# Altium PCB MAIN-BOARD.PcbDoc
Units mm, origin at the board's own origin, x right, y up, seen from the top; angles counter-clockwise.
Board outline 127 x 72 mm, 2 copper layers (Top Layer, Bottom Layer), stack 1.571 mm thick; 33 components, 48 nets, 208 pads, 0 vias.
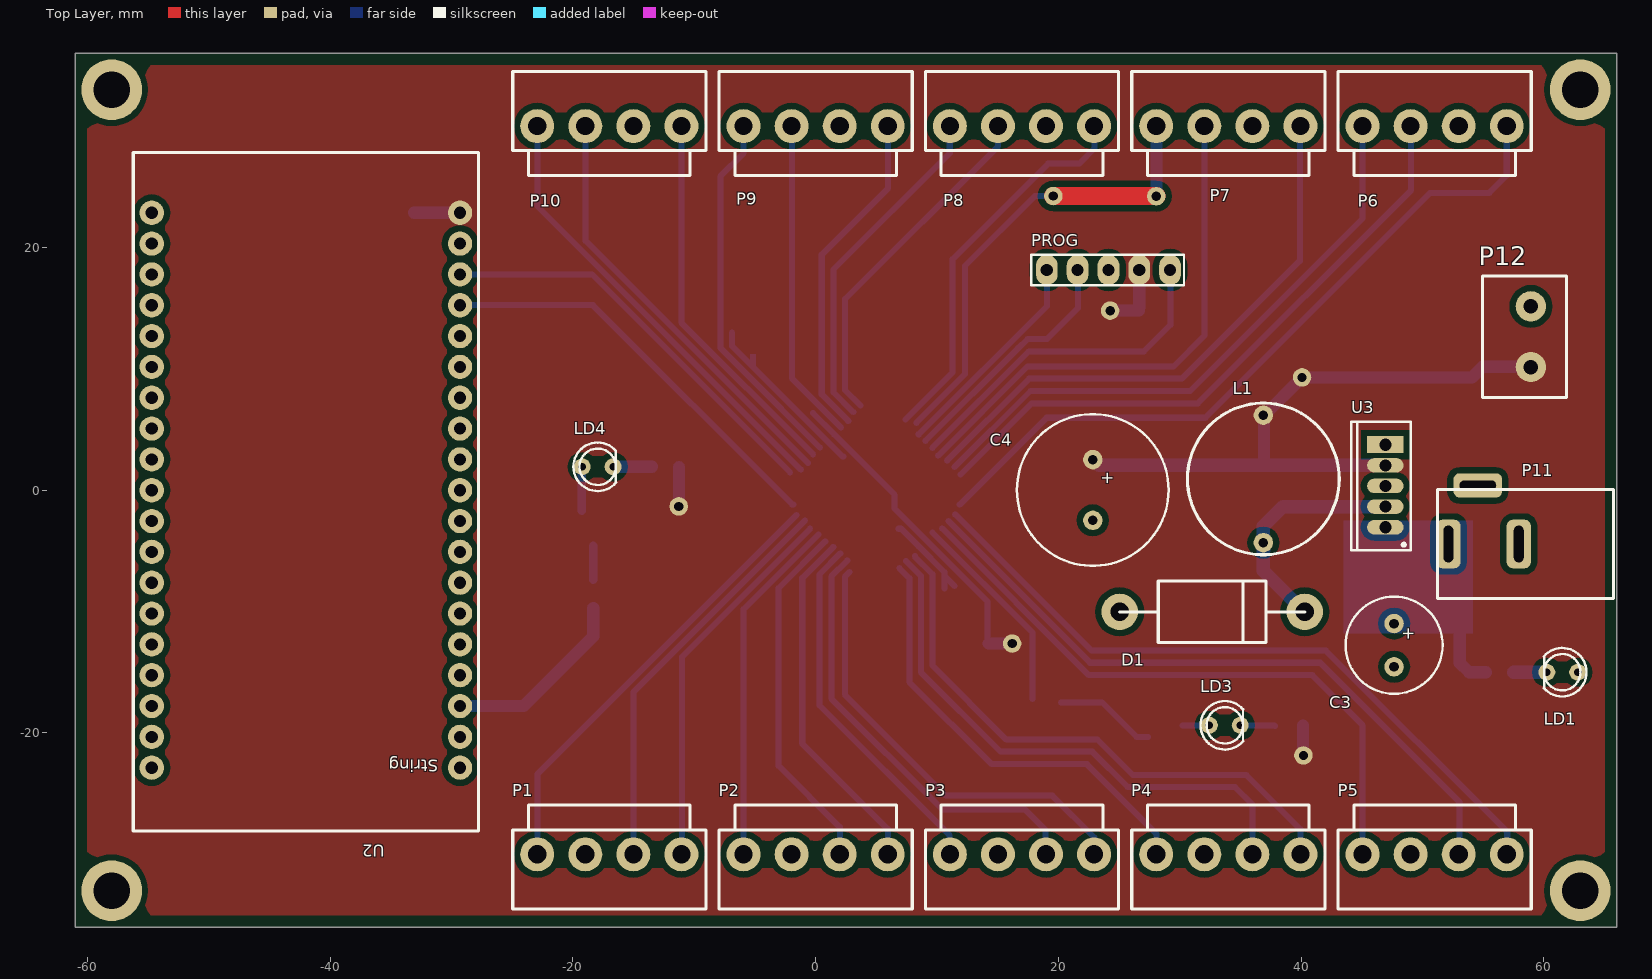
[diagram p0: Top Layer view]
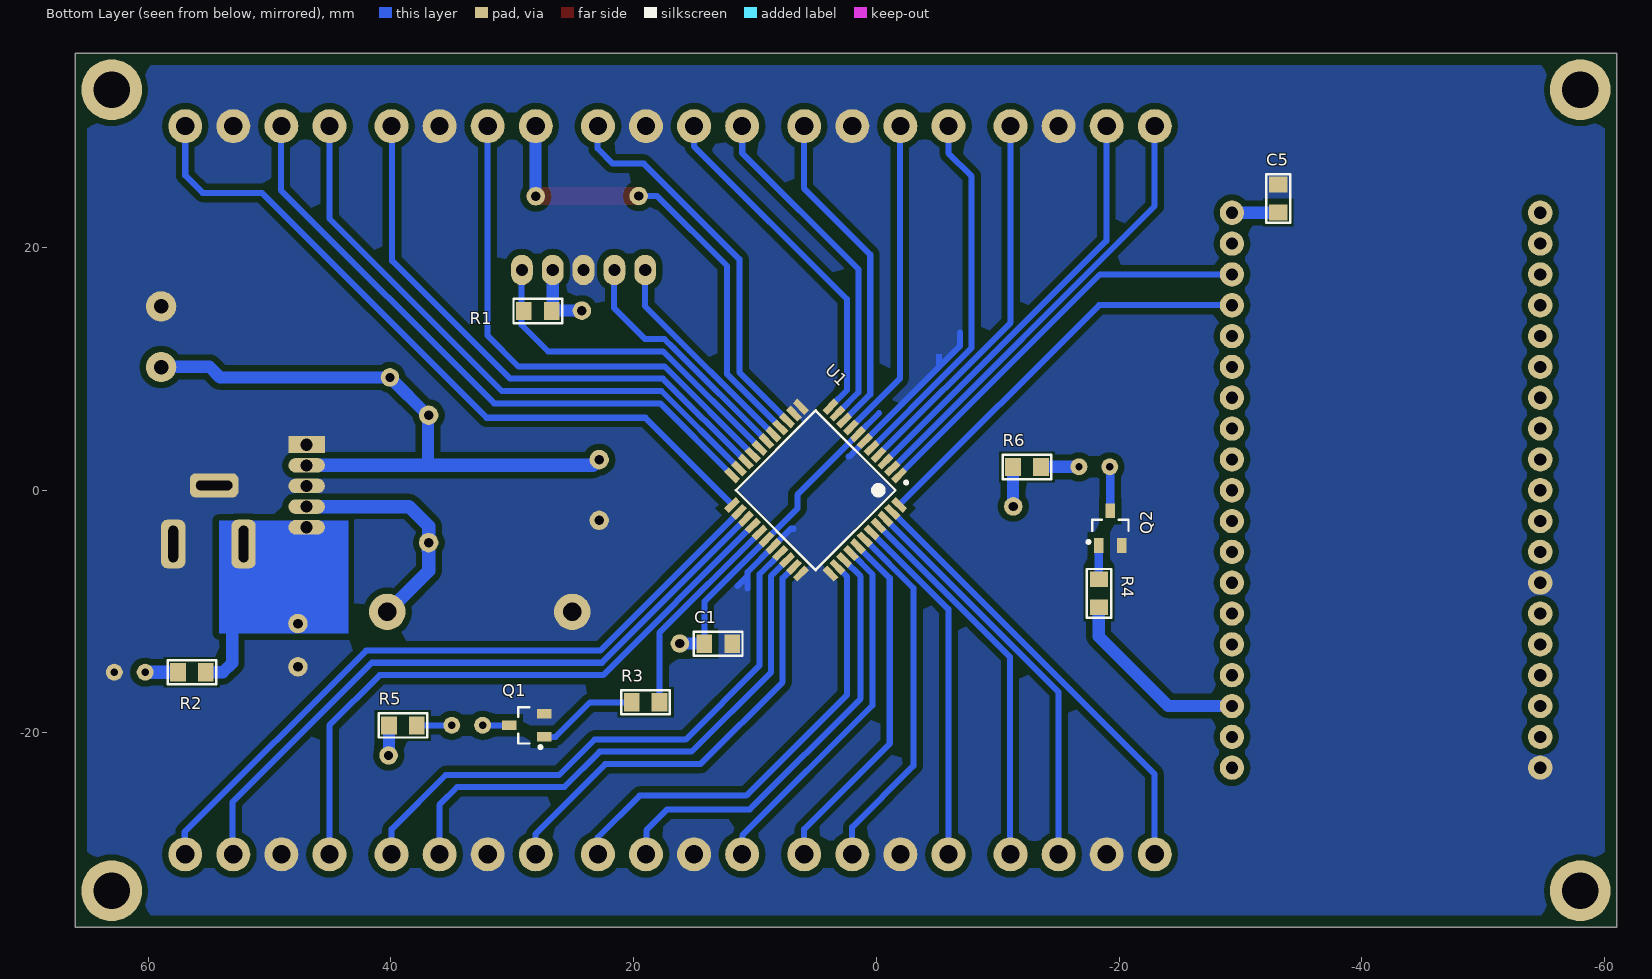
[diagram p1: Bottom Layer view, seen from below]
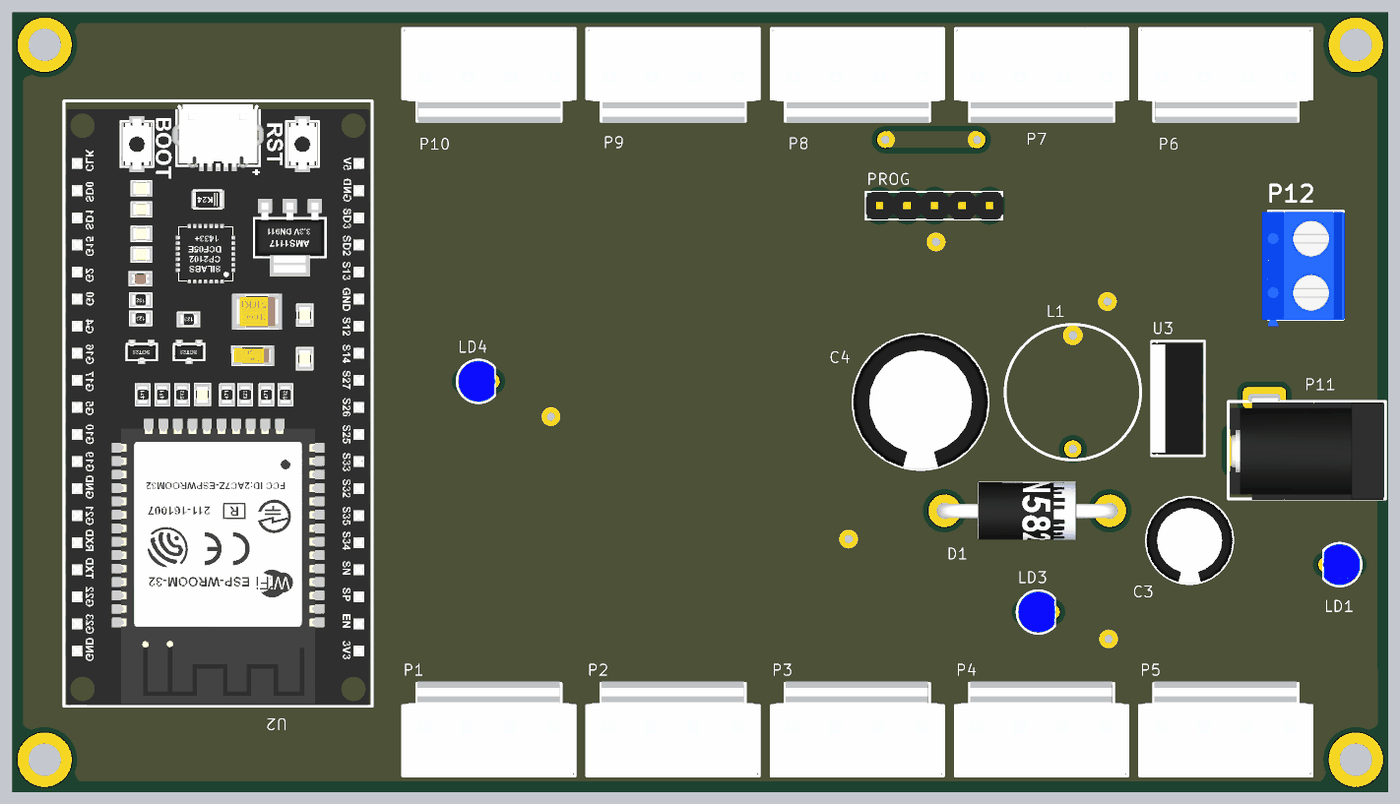
[diagram p2: 3D render of the assembled board from above, using the file's embedded part models]
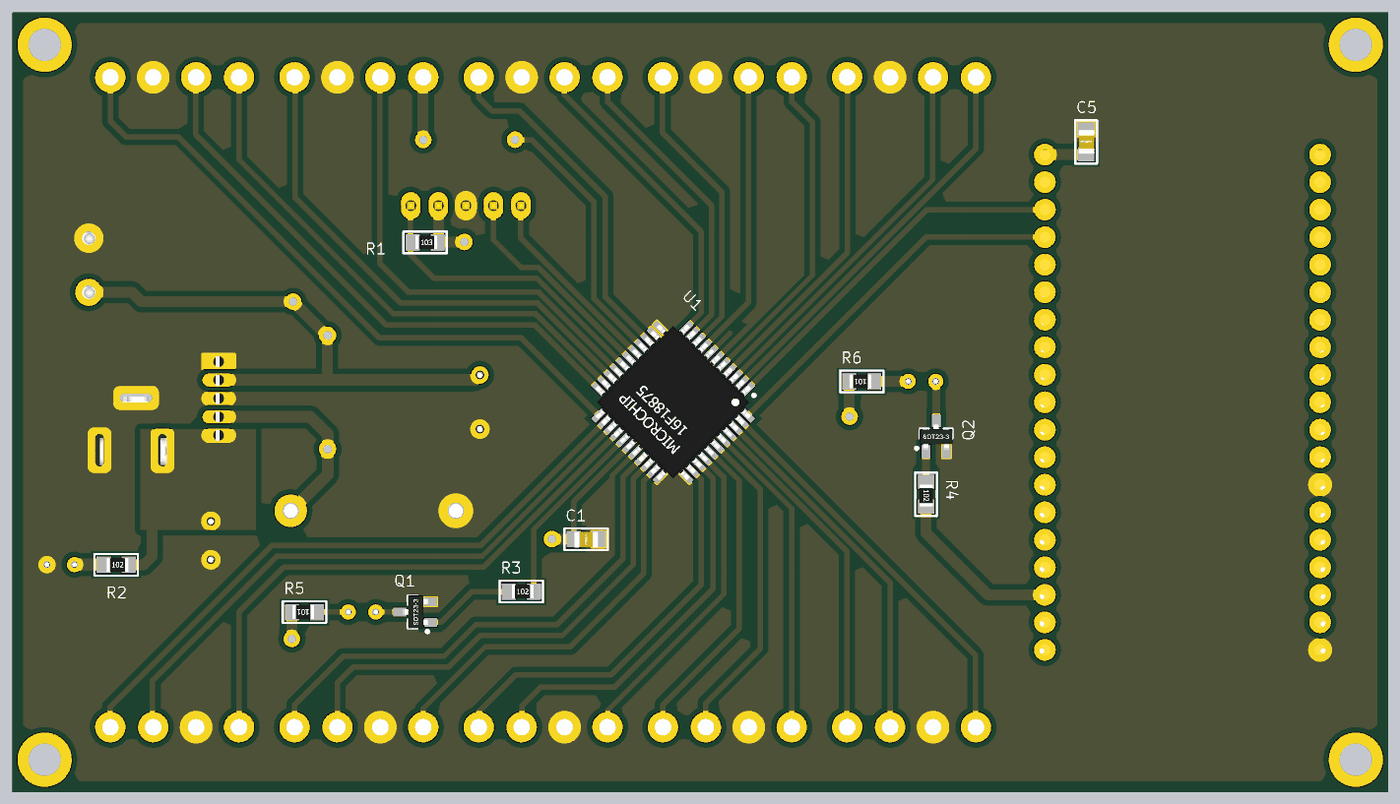
[diagram p3: 3D render of the assembled board from below, using the file's embedded part models]

## Layer stack, top to bottom
Top Solder: solder mask 0.0102, Solder Resist, Dk 3.5
Top Layer: signal copper 0.0356
Dielectric 1: dielectric 1.5, FR-4, Dk 4.8
Bottom Layer: signal copper 0.0356
Bottom Solder: solder mask 0.0102, Solder Resist, Dk 3.5

## Board outline
-61,-36 -61,36 66,36 66,-36

## Design rules (kind name [scope] priority, off if disabled: settings)
Clearance [All] p1: gap=0.5 ignorepadtopadclearanceinfootprint=FALSE except(0: Arc-Hole Track-Hole SMDPad-Hole THPad-Hole Via-Hole Fill-Hole Poly-Hole Region-Hole Text-Hole)
PlaneConnect [All] p1: planeconnectstyle=Direct reliefexpansion=0.508 reliefentries=4 reliefconductorwidth=0.254 reliefairgap=0.254
PolygonConnect [All] p1: connectstyle=Direct reliefconductorwidth=0.254 reliefentries=4 polygonreliefangle="90 Angle" airgapwidth=0.254
RoomDefinition MAIN-BOARD [InComponentClass('MAIN-BOARD')] p1: confinementstyle=ConfineIn formatcopy=TRUE lockcomponents=FALSE outline 117.094,-27.178 228.092,-27.178 228.092,-8.128 117.094,-8.128
RoutingVias [All] p1: holewidth=0.711 width=1.27 viastyle="Through Hole" minholewidth=0.711 minwidth=1.27 maxholewidth=0.711 maxwidth=1.27
SolderMaskExpansion [All] p1: expansion=0.102
Width [All] p1: maxlimit=2 minlimit=0.5 preferedwidth=0.5
29 further rules are at their usual default settings.

## Components (designator, comment, footprint, x,y, rotation, side; value= is the part's Value field where it differs from the comment)
C1 "100NF" CAP.SMD.0805 13.03,-12.648 r0 bottom
C3 "100UFX35V" CAP-ELEC-8X11 47.659,-12.767 r270 top
C4 "1000UFX25V" CAP-ELEC-12.5X20 22.832,0.021 r270 top
C5 "100NF" CAP.SMD.0805 -33.109,24.032 r270 bottom
D1 "1N5822" "Diode 1N5822" 32.674,-10.02 r0 top
L1 "330UHY" "Inductor Radial DR1213" 36.887,0.928 r270 top
LD1 "LED 3MM AZUL" "LED 3MM AZUL" 61.513,-14.993 r180 top
LD3 "LED 3MM AZUL" "LED 3MM AZUL" 33.709,-19.369 r0 top
LD4 "LED 3MM AZUL" "LED 3MM AZUL" -17.963,1.929 r0 top
P1 "CONECTOR PWXXS MA-04 VERTICAL P=3.96MM PW0" "CONECTOR PWXXS MA-04 VERTICAL P=3.96MM" -17,-30 r0 top
P2 "CONECTOR PWXXS MA-04 VERTICAL P=3.96MM PW0" "CONECTOR PWXXS MA-04 VERTICAL P=3.96MM" 0,-30 r0 top
P3 "CONECTOR PWXXS MA-04 VERTICAL P=3.96MM PW0" "CONECTOR PWXXS MA-04 VERTICAL P=3.96MM" 17,-30 r0 top
P4 "CONECTOR PWXXS MA-04 VERTICAL P=3.96MM PW0" "CONECTOR PWXXS MA-04 VERTICAL P=3.96MM" 34,-30 r0 top
P5 "CONECTOR PWXXS MA-04 VERTICAL P=3.96MM PW0" "CONECTOR PWXXS MA-04 VERTICAL P=3.96MM" 51,-30 r0 top
P6 "CONECTOR PWXXS MA-04 VERTICAL P=3.96MM PW0" "CONECTOR PWXXS MA-04 VERTICAL P=3.96MM" 51,30 r180 top
P7 "CONECTOR PWXXS MA-04 VERTICAL P=3.96MM PW0" "CONECTOR PWXXS MA-04 VERTICAL P=3.96MM" 34,30 r180 top
P8 "CONECTOR PWXXS MA-04 VERTICAL P=3.96MM PW0" "CONECTOR PWXXS MA-04 VERTICAL P=3.96MM" 17,30 r180 top
P9 "CONECTOR PWXXS MA-04 VERTICAL P=3.96MM PW0" "CONECTOR PWXXS MA-04 VERTICAL P=3.96MM" 0,30 r180 top
P10 "CONECTOR PWXXS MA-04 VERTICAL P=3.96MM PW0" "CONECTOR PWXXS MA-04 VERTICAL P=3.96MM" -17,30 r180 top
P11 "DC POWER JACK" VAR-DC-JACK 65.732,-4.43 r270 top
P12 "BORNE 2P P=5MM 1.5MM2 15A AZUL XY301V-2P" CON-BOR-X2-5MM 58.928,12.647 r90 top
PROG "In-Serial Circuit Programmer Header" "PIC ICSP" 24.125,18.149 r180 top
Q1 "BC817" NPN.SMD.SOT23 28.803,-19.369 r0 bottom
Q2 "BC817" NPN.SMD.SOT23 -19.275,-3.131 r90 bottom
R1 "10K" RES.SMD.103 27.893,14.761 r180 bottom
R2 "1K" RES.SMD.102 56.394,-15.002 r180 bottom
R3 "1K" RES.SMD.102 19.011,-17.471 r180 bottom
R4 "1K" RES.SMD.102 -18.342,-8.489 r270 bottom
R5 "100E" RES.SMD.101 39.013,-19.375 r0 bottom
R6 "100E" RES.SMD.101 -12.411,1.919 r0 bottom
U1 "PIC16F18875-I/PT 44 TQFP 14KB Flash, 1KB RAM, 256B EE, 10b ADC2" "44TQFP - PIC16F18875" 5,0 r315 bottom
U2 "ESP32-DevKitC" ESP32-DevKitC -42,0 r180 top
U3 "LM2576T-5.0" LM2576T-5.0 46.939,0.352 r90 top

## Footprints (in the part's own frame and the unit in brackets; to place one, negate y for a bottom-side part, rotate by r counter-clockwise, add the part's x,y. Pads: shape width x height; smd on the part's side, far side on the other; paste and mask are expansions set on the pad)
"44TQFP - PIC16F18875" [mm] "PIC16F18875"
  rect 1.35x0.55 smd: 1(-5.725,4) 2(-5.725,3.2) 3(-5.725,2.4) 4(-5.725,1.6) 5(-5.725,0.8) 6(-5.725,0) 7(-5.725,-0.8) 8(-5.725,-1.6) 9(-5.725,-2.4) 10(-5.725,-3.2) 11(-5.725,-4) 23(5.725,-4) 24(5.725,-3.2) 25(5.725,-2.4) 26(5.725,-1.6) 27(5.725,-0.8) 28(5.725,0) 29(5.725,0.8) 30(5.725,1.6) 31(5.725,2.4) 32(5.725,3.2) 33(5.725,4)
  rect 0.55x1.35 smd: 12(-4,-5.725) 13(-3.2,-5.725) 14(-2.4,-5.725) 15(-1.6,-5.725) 16(-0.8,-5.725) 17(0,-5.725) 18(0.8,-5.725) 19(1.6,-5.725) 20(2.4,-5.725) 21(3.2,-5.725) 22(4,-5.725) 34(4,5.725) 35(3.2,5.725) 36(2.4,5.725) 37(1.6,5.725) 38(0.8,5.725) 39(0,5.725) 40(-0.8,5.725) 41(-1.6,5.725) 42(-2.4,5.725) 43(-3.2,5.725) 44(-4,5.725)
  silkscreen extent -5.85,-4.65 4.65,4.95, body extent -6,-6 6,6, height 1.21
CAP-ELEC-8X11 [mm] "CAPACITOR ELECTROLITICO 8 X 11"
  round 1.6 hole 0.8: 1(-1.778,0) 2(1.778,0)
  silkscreen extent -4,-4 4,4, body extent -4,-4 4,4, height 11
CAP-ELEC-12.5X20 [mm] "CAPACITOR ELECTROLITICO 12.5 X 20"
  round 1.6 hole 0.8: 1(-2.5,0) 2(2.5,0)
  silkscreen extent -6.25,-6.25 6.25,6.25, body extent -6.25,-6.25 6.25,6.25, height 20
CAP.SMD.0805 [mm] "COG 10% CER.MULT. SMD 0805"
  rect 1.3x1.5 smd: 1(-1.15,0) 2(1.15,0)
  silkscreen extent -2,-1 2,1, body extent -1.1,-0.69 1.1,0.76, height 0.88
CON-BOR-X2-5MM [mm] "Bornera X2 5MM"
  round 2.5 hole 1.2: 1(-2.5,0) 2(2.5,0)
  silkscreen extent -5,-2.92 5,4, body extent -5.65,-3.04 4.95,4.56, height 10
"CONECTOR PWXXS MA-04 VERTICAL P=3.96MM" [mm] "CONECTOR PWXXS VERTICAL P=3.96MM"
  round 2.8 hole 1.5: 1(-5.94,0) 2(-1.98,0) 3(1.98,0) 4(5.94,0)
  silkscreen extent -7.96,-4.5 7.96,4.06, body extent -7.96,-4.5 7.88,4.2, height 10.7
"Diode 1N5822" [mm] "Diode 1N5822"
  round 3 hole 1.5: A(-7.62,0) K(7.62,0)
  silkscreen extent -7.62,-2.54 7.62,2.54, body extent -8.27,-2.67 8.27,2.65, height 5.66
ESP32-DevKitC [mm] "ESP32-DevKitC"
  round 2 hole 1: 1(-12.7,22.86) 2(-12.7,20.32) 3(-12.7,17.78) 4(-12.7,15.24) 5(-12.7,12.7) 6(-12.7,10.16) 7(-12.7,7.62) 8(-12.7,5.08) 9(-12.7,2.54) 10(-12.7,0) 11(-12.7,-2.54) 12(-12.7,-5.08) 13(-12.7,-7.62) 14(-12.7,-10.16) 15(-12.7,-12.7) 16(-12.7,-15.24) 17(-12.7,-17.78) 18(-12.7,-20.32) 19(-12.7,-22.86) 20(12.7,-22.86) 21(12.7,-20.32) 22(12.7,-17.78) 23(12.7,-15.24) 24(12.7,-12.7) 25(12.7,-10.16) 26(12.7,-7.62) 27(12.7,-5.08) 28(12.7,-2.54) 29(12.7,0) 30(12.7,2.54) 31(12.7,5.08) 32(12.7,7.62) 33(12.7,10.16) 34(12.7,12.7) 35(12.7,15.24) 36(12.7,17.78) 37(12.7,20.32) 38(12.7,22.86)
  silkscreen extent -14.22,-27.81 14.22,28.07, body extent -14,-27.51 14,27.97
"Inductor Radial DR1213" [mm] "Inductor Radial DR1213"
  round 1.6 hole 0.8: 1(-5.25,0) 2(5.25,0)
  silkscreen extent -6.25,-6.25 6.25,6.25, body extent -6.25,-6.25 6.25,6.25, height 15.5
"LED 3MM AZUL" [mm] "LED 3MM"
  round 1.4 hole 0.6: A(1.27,0) K(-1.27,0)
  silkscreen extent -2,-2 1.53,2, body extent -1.87,-1.87 1.5,1.87, height 5.49
LM2576T-5.0 [mm] "LM2576T-5.0 TO220 3A.STEP.DOWN.VOLT.REG."
  oval 1.2x3 hole 1: 1(-3.4,0) 2(-1.7,0) 3(0,0) 4(1.7,0)
  rect 1.4x3 hole 1: 5(3.4,0)
  silkscreen extent -5.3,-2.1 5.3,2.8, body extent -5.11,-1.91 5.09,2.8, height 15.4
NPN.SMD.SOT23 [mm] "Transistor NPN 0.25W SOT23"
  rect 1.2x0.8 smd: 1(-1.425,0.95) 2(-1.425,-0.95) 3(1.425,0)
  silkscreen extent -1.25,-1.5 0.7,1.92, body extent -1.37,-1.52 1.27,1.52, height 0.94
"PIC ICSP" [mm] "In-Serial Circuit Programmer Header"
  oval 1.8x2.5 hole 1: 1(-5.08,0) 2(-2.54,0) 3(0,0) 4(2.54,0) 5(5.08,0)
  silkscreen extent -6.22,-1.27 6.35,1.27, body extent -6.35,-1.27 6.35,1.27, height 9.54
RES.SMD.101 [mm] "5% 0805 1/8W RES.SMD"
  rect 1.3x1.5 smd: 1(-1.15,0) 2(1.15,0)
  silkscreen extent -2,-1 2,1, body extent -0.87,-0.62 1.13,0.63, height 0.48
RES.SMD.102 [mm] "5% 0805 1/8W RES.SMD"
  rect 1.3x1.5 smd: 1(-1.15,0) 2(1.15,0)
  silkscreen extent -2,-1 2,1, body extent -0.87,-0.62 1.13,0.63, height 0.48
RES.SMD.103 [mm] "5% 0805 1/8W RES.SMD"
  rect 1.3x1.5 smd: 1(-1.15,0) 2(1.15,0)
  silkscreen extent -2,-1 2,1, body extent -0.87,-0.62 1.13,0.63, height 0.48
VAR-DC-JACK [mm] "VAR-DC-JACK"
  rrect50% 4x2 hole 0.8 slot 3 at 0 deg: 1(0,-13.6) 2(0,-7.8)
  rrect50% 2x4 hole 0.8 slot 3 at 90 deg: 3(-4.826,-11.176)
  silkscreen extent -4.5,-14.5 4.5,0, body extent -4.95,-14.34 4.6,-0.14, height 11

## Part data
C1 C5: library part "Capacitor 100NFX50V X7R 10% CER.MULT. SMD 0805", "100NFX50V X7R 10% CER.MULT. SMD 0805", COD. ELEMON=CA3279774
C3: library part "Capacitor Electrolitico 100UFX35V 85°C 8x11 ELE.RAD AISHI", "100UFX35V 85°C 8x11 ELE.RAD AISHI", COD. ELEMON=CA3609372, COD. FV=CE.CAP.0009
C4: library part "Capacitor Electrolitico 1000UFX25V 85°C 12.5X20 ELE.RAD AISHI", "1000UFX25V 85°C 12.5X20 ELE.RAD AISHI", COD. ELEMON=CA3609291, COD. FV=CE.CAP.0010
D1: library part "Diodo Schottky 1N5822 3A 40V", "Diodo Schottky 1N5822 3A 40V", COD. FV=CE.DIO.0002
L1: library part "Inductor Radial 330UHY 0.3R 1.4A RAD. 15.5X15.5MM", "330UHY 0.3R 1.4A RAD. 15.5X15.5MM", COD. ELEMON=FI1537220, COD. FV=CE.IND.0002
LD1 LD3 LD4: library part "LED 3MM AZUL WC SUPER BRILLO 1250mcd 30º 204-10SUBC/C470/S400-A6 PATAS 14MM", "LED 3MM AZUL WC SUPER BRILLO 1250mcd 30º 204-10SUBC/C470/S400-A6 PATAS 14MM", COD. ELEMON=OP1452620
P1 P2 P3 P4 P5 P6 P7 P8 P9 P10: library part "CONECTOR PWXXS MA-04 VERTICAL P=3.96MM PW04S", COD. ELEMON=CO5052040, COD. FV=CE.CON.0013
P11: library part "DC POWER JACK 90 GRA. 2MM", "DC POWER JACK 90 GRA. 2MM", COD. ELEMON=MC6691355
Q1 Q2: library part "Transistor BC817-40 TRA.NPN 45V0.5A 0.25W SOT23", "BC817-40 TRA.NPN 45V0.5A 0.25W SOT23", COD. ELEMON=TR1723020, COD. FV=CE.TRA.0002
R1: library part "Resistencia 10K 5% 0805 1/8W", "10K 5% 0805 1/8W RES.SMD", COD. ELEMON=RS3896245
R2 R3 R4: library part "Resistencia 1K 5% 0805 1/8W", "1K 5% 0805 1/8W RES.SMD", COD. ELEMON=RS3896185, COD. FV=CE.RES.0012
R5 R6: library part "Resistencia 100E 5% 0805 1/8W", "100E 5% 0805 1/8W RES.SMD", COD. ELEMON=RS3896125, COD. FV=CE.RES.0011
U3: library part "LM2576T-5.0 TO220 3A.STEP.DOWN.VOLT.REG.", "LM2576T-5.0 TO220 3A.STEP.DOWN.VOLT.REG.", COD. ELEMON=CI2707258H, COD. FV=CE.SEM.0002
P12: COD. ELEMON=BO5812000
PROG: COD. ELEMON=CO4900906, COD. FV=CE.CON.0017
U1: COD. ELEMON=MI2986749, COD. FV=CE.MIC.0002

## Free pads (board coordinates)
  round 5 hole 3: 12(-58,-33) 12(-58,33) 12(63,-33) 12(63,33)
  round 1.524 hole 0.762: 13(-11.278,-1.331) 15(16.189,-12.629) 16(40.184,-21.85) 17(24.263,14.797) 18(40.075,9.296) 24(28.057,24.221) 27(19.582,24.24) 29(52.11,-5.514) 29(52.122,-5.105) 29(52.134,-4.52) 29(52.138,-4.785) 29(52.138,-4.272) 29(52.142,-3.667) 29(52.146,-3.331) 29(52.15,-4.012) 29(53.482,0.411) 29(53.818,0.407) 29(54.162,0.415) 29(54.423,0.403) 29(54.671,0.399) 29(54.935,0.403) 29(55.256,0.387) 29(55.665,0.375) 29(57.908,-5.49) 29(57.92,-5.081) 29(57.932,-4.496) 29(57.936,-4.76) 29(57.936,-4.248) 29(57.94,-3.643) 29(57.944,-3.307) 29(57.948,-3.988)

## Nets (pads, with @x,y where several pads share a name; then routed paths per layer and width w, separated by ;. In a path a pad name is that pad's centre, name@x,y a point inside that pad or via, vN(x,y) a via of type N, cw(c..) or ccw(c..) an arc to the next point about the centre after c; other vN are vias at no path point)
5V: C1.2 C4.1 C5.2 L1.1 P12.1 pad.13 pad.15 pad.16 pad.17 pad.18 PROG.2 R1.2 R5.2 R6.2 U1.7 U1.28 U2.19 U3.4 | length 94.3
  Bottom Layer w0.5: C5.2@-33.231,22.988 C5.2@-33.103,22.86 ; pad.13@-11.261,-1.451 pad.13@-11.21,-1.503 ; -0.233,6.364 U1.7 6.507,-0.376 6.507,-1.522 14.169,-9.184 C1.2@14.169,-12.517 ; C1.2@14.24,-12.604 C1.2@14.265,-12.629 ; R1.2@26.57,14.969 R1.2@26.665,15.065 ; R1.2@26.654,14.797 R1.2@26.687,14.83 ; pad.16@40.12,-21.819 pad.16@40.163,-21.776
  Bottom Layer w1: C5.2@-33.103,22.86 U2.19 ; pad.13@-11.261,-1.451 R6.2 ; C1.2@14.265,-12.629 pad.15 ; pad.17 R1.2@26.654,14.797 ; R1.2@26.665,15.065 PROG.2 ; 36.925,2.123 36.925,6.146 pad.18 54.069,9.296 54.945,10.171 P12.1@58.96,10.171 ; pad.16@40.163,-21.776 R5.2
  Bottom Layer w1.1: C4.1@22.857,2.541 23.344,2.055 U3.4@46.895,2.055
12V: C3.1 P11.1 pad.29@52.11,-5.514 pad.29@52.15,-4.012 pad.29@52.122,-5.105 pad.29@52.134,-4.52 pad.29@52.138,-4.272 pad.29@52.138,-4.785 pad.29@52.142,-3.667 pad.29@52.146,-3.331 R2.2 U3.1 | length 5.7
  Bottom Layer w0.5: 53.018,-11.079 53.071,-11.133
  Bottom Layer w1: 53.071,-11.133 53.071,-14.228 53.846,-15.002 R2.2
ACT1: P1.4 U1.41 | length 31.2
  Bottom Layer w0.5: P1.4@-11.03,-29.99 -11.03,-13.746 U1.41@-0.45,-3.167
ACT2: P2.4 U1.38 | length 29.3
  Bottom Layer w0.5: U1.38@1.451,-4.686 -1.103,-7.24 -1.103,-20.871 5.951,-27.925 5.951,-29.961 P2.4@5.903,-30.009
ACT3: P3.4 U1.35 | length 37.1
  Bottom Layer w0.5: U1.35@2.794,-6.731 2.413,-7.112 2.413,-8.074 2.407,-8.08 2.407,-16.835 10.736,-25.164 19.503,-25.164 22.952,-28.613 P3.4@22.952,-30.014
ACT4: P4.4 U1.30 | length 47.6
  Bottom Layer w0.5: U1.30@8.174,-5.426 8.174,-5.466 9.611,-6.903 9.611,-14.438 15.719,-20.546 23.223,-20.546 26.139,-23.462 35.483,-23.462 39.944,-27.923 P4.4@39.944,-30.027
ACT5: P5.4 U1.24 | length 58.1
  Bottom Layer w0.5: U1.24@11.493,-1.986 11.511,-1.986 22.735,-13.209 42.043,-13.209 56.98,-28.147 P5.4@56.98,-29.972
ACT6: P6.4 U1.21 | length 51.2
  Bottom Layer w0.5: U1.21@11.433,1.908 17.699,8.174 30.852,8.174 45.056,22.378 P6.4@45.056,30.025 ; P6.4 45.04,29.98 44.501,29.98 P6.4@45.098,29.383
ACT7: P7.4 pad.24 pad.27 U1.15 | length 38.6
  Top Layer w0.5: pad.24@28.076,24.24 pad.24@28.08,24.244
  Top Layer w1.5: pad.27 pad.24@28.076,24.24
  Bottom Layer w0.5: U1.15@8.301,5.561 12.3,9.559 12.3,18.474 18.055,24.23 pad.27@19.6,24.23
  Bottom Layer w1: pad.24@28.081,24.16 P7.4@28.081,29.992
ACT8: P8.4 U1.10 | length 28.2
  Bottom Layer w0.5: U1.10@3.102,6.432 1.472,8.062 1.472,18.199 11.05,27.777 P8.4@11.053,29.998
ACT9: P9.4 U1.5 | length 30.7
  Bottom Layer w0.5: P9.4 -5.94,27.78 -7.854,25.866 -7.854,11.726 -5.94,9.811 U1.5@0.352,3.519
ACT10: P10.4 U1.2 | length 37.3
  Bottom Layer w0.5: P10.4@-22.93,29.996 -22.93,23.418 U1.2@-1.217,1.704
CTRL1: R3.2 U1.27 | length 17.1
  Bottom Layer w0.5: U1.27 17.872,-11.74 R3.2@17.872,-17.208
CTRL2: R4.2 U2.3 | length 15.8
  Bottom Layer w0.5: R4.2@-18.321,-9.692 R4.2@-18.29,-9.661
  Bottom Layer w1: U2.3 -24.053,-17.78 -18.321,-12.049 R4.2@-18.321,-9.692
GND: C1.1 C3.2 C4.2 C5.1 D1.A LD1.K P1.2 P2.2 P3.2 P4.2 P5.2 P6.2 P7.2 P8.2 P9.2 P10.2 P11.2 P11.3 P12.2 pad.29@53.482,0.411 pad.29@53.818,0.407 pad.29@54.162,0.415 pad.29@54.423,0.403 pad.29@54.671,0.399 pad.29@54.935,0.403 pad.29@55.256,0.387 pad.29@55.665,0.375 pad.29@57.92,-5.081 pad.29@57.94,-3.643 pad.29@57.908,-5.49 pad.29@57.932,-4.496 pad.29@57.936,-4.76 pad.29@57.936,-4.248 pad.29@57.944,-3.307 pad.29@57.948,-3.988 PROG.3 Q1.2 Q2.2 U1.6 U1.12 U1.13 U1.29 U1.33 U1.34 U2.32 U2.38 U3.3 U3.5 | length 22.5
  Bottom Layer w0.5: -6.875,12.995 -6.875,11.875 U1.6 2.227,2.773 2.275,2.773 ; 6.829,-3.175 7.044,-3.175 U1.29 10.616,-6.747 10.616,-7.818 ; 10.632,-8.078 10.632,-7.078 11.454,-7.9
NetD1_K: D1.K L1.2 U3.2 | length 18.7
  Bottom Layer w1.1: L1.2@36.873,-4.283 36.873,-2.979 38.501,-1.352 U3.2@47.136,-1.352 ; L1.2@36.934,-4.968 36.873,-5.028 36.873,-6.647 D1.K@40.246,-10.02
NetLD1_A: LD1.A R2.1 | length 2.8
  Bottom Layer w0.5: R2.1@57.471,-15.033 R2.1@57.511,-14.993
  Bottom Layer w1.1: R2.1@57.511,-14.993 LD1.A
NetLD3_A: LD3.A R5.1 | length 2.9
  Bottom Layer w0.5: LD3.A 37.803,-19.369 R5.1@37.862,-19.428
NetLD3_K: LD3.K Q1.3 | length 2.2
  Bottom Layer w0.5: Q1.3 32.378,-19.369 LD3.K@32.433,-19.314
NetLD4_A: LD4.A R6.1 | length 3.2
  Bottom Layer w0.5: R6.1@-13.487,1.929 R6.1@-13.482,1.934
  Bottom Layer w1: LD4.A R6.1@-13.487,1.929
NetLD4_K: LD4.K Q2.3 | length 3.7
  Bottom Layer w0.5: LD4.K@-19.276,1.946 LD4.K@-19.275,1.944
  Bottom Layer w0.7: Q2.3 LD4.K@-19.275,1.944
NetPROG_4: PROG.4 U1.17 | length 20.2
  Bottom Layer w0.5: U1.17 9.048,4.074 16.676,11.702 16.702,11.702 17.456,12.456 19.052,12.456 21.598,15.002 PROG.4@21.598,18.133
NetPROG_5: PROG.5 U1.16 | length 17.9
  Bottom Layer w0.5: U1.16 8.505,4.614 19.062,15.171 PROG.5@19.062,18.139
NetQ1_1: Q1.1 R3.1 | length 8.3
  Bottom Layer w0.5: R3.1@20.202,-17.49 23.605,-17.49 26.434,-20.319 Q1.1
NetQ2_1: Q2.1 R4.1 | length 2.8
  Bottom Layer w0.5: R4.1@-18.335,-7.379 R4.1@-18.325,-7.369
  Bottom Layer w0.7: R4.1@-18.325,-7.369 Q2.1
RX: U1.44 U2.16 | length 34.3
  Bottom Layer w0.5: U2.16@-29.29,15.249 -18.351,15.249 -1.931,-1.171 U1.44@-1.836,-1.171
STA1: P1.1 U1.43 | length 36.8
  Bottom Layer w0.5: P1.1@-22.906,-30.034 -22.906,-23.374 U1.43@-1.589,-2.057
STA2: P2.1 U1.40 | length 28.9
  Bottom Layer w0.5: P2.1@-5.932,-30.05 -5.932,-9.805 U1.40@0.217,-3.655
STA3: P3.1 U1.37 | length 30
  Bottom Layer w0.5: U1.37@2.04,-5.21 0.319,-6.931 0.319,-17.721 11.039,-28.441 11.039,-29.932 P3.1@11.121,-30.014
STA4: P4.1 U1.32 | length 37
  Bottom Layer w0.5: U1.32@6.9,-6.415 7.729,-7.244 7.729,-15.809 14.491,-22.572 22.34,-22.572 28.079,-28.312 P4.1@28.079,-30.045
STA5: P5.1 U1.26 | length 52
  Bottom Layer w0.5: U1.26@10.417,-3.143 22.507,-15.233 40.913,-15.233 45.06,-19.38 P5.1@45.06,-30.029
STA6: P6.1 U1.23 | length 60.4
  Bottom Layer w0.5: U1.23@11.864,-1.189 19.024,5.972 32.11,5.972 50.634,24.496 55.498,24.496 56.94,25.938 P6.1
STA7: P7.1 U1.20 | length 46.9
  Bottom Layer w0.5: U1.20@10.84,2.453 17.584,9.197 30.178,9.197 39.891,18.91 P7.1@39.891,29.899
STA8: P8.1 U1.14 | length 31.7
  Bottom Layer w0.5: U1.14@7.387,5.81 11.282,9.704 11.282,19.038 19.158,26.914 21.718,26.914 22.958,28.154 P8.1@22.958,29.572
STA9: P9.1 U1.9 | length 27.4
  Bottom Layer w0.5: U1.9@2.683,5.719 0.5,7.902 0.5,19.408 5.978,24.886 P9.1@5.978,29.982
STA10: P10.1 U1.4 | length 31.5
  Bottom Layer w0.5: P10.1@-11.071,29.996 -11.071,13.808 U1.4@-0.211,2.948
TX: U1.1 U2.17 | length 34
  Bottom Layer w0.5: U2.17@-29.319,17.772 -18.413,17.772 U1.1@-2.113,1.472
VIN1: P1.3 U1.42 | length 33.4
  Bottom Layer w0.5: P1.3@-15.014,-30.02 -15.014,-16.633 U1.42@-0.882,-2.501
VIN2: P2.3 U1.39 | length 29.4
  Bottom Layer w0.5: U1.39@0.792,-4.213 -3.049,-8.054 -3.049,-22.719 1.994,-27.762 P2.3@1.994,-29.956
VIN3: P3.3 U1.36 | length 36.3
  Bottom Layer w0.5: U1.36@2.625,-5.793 2.597,-5.793 1.299,-7.091 1.299,-17.163 10.429,-26.292 17.228,-26.292 18.954,-28.019 P3.3@18.954,-29.989 ; P3.3@19.003,-29.989 P3.3@19.197,-29.795
VIN4: P4.3 U1.31 | length 45.6
  Bottom Layer w0.5: U1.31@7.446,-5.836 8.671,-7.06 8.671,-14.984 15.228,-21.541 22.793,-21.541 25.702,-24.451 34.527,-24.451 36,-25.923 36,-29.298 35.952,-29.346 P4.3@35.952,-29.975
VIN5: P5.3 U1.25 | length 55.9
  Bottom Layer w0.5: U1.25@10.953,-2.552 22.613,-14.213 41.575,-14.213 53.043,-25.68 P5.3@53.043,-29.926
VIN6: P6.3 U1.22 | length 52.1
  Bottom Layer w0.5: U1.22@11.94,1.296 17.795,7.151 31.484,7.151 49.06,24.728 P6.3@49.06,29.963
VIN7: P7.3 U1.19 | length 43.3
  Bottom Layer w0.5: U1.19@10.098,2.845 17.447,10.194 29.491,10.194 32.052,12.754 P7.3@32.052,29.966
VIN8: P8.3 U1.11 | length 28.8
  Bottom Layer w0.5: U1.11@3.686,6.984 2.418,8.252 2.418,15.737 15.03,28.349 P8.3@15.03,30.016
VIN9: P9.3 U1.8 | length 26.5
  Bottom Layer w0.5: P9.3@-1.939,30.051 -1.939,9.202 U1.8
VIN10: P10.3 U1.3 | length 35.3
  Bottom Layer w0.5: P10.3@-18.957,29.986 -18.957,20.556 U1.3@-0.648,2.247
VPP: PROG.1 R1.1 U1.18 | length 28.3
  Bottom Layer w0.5: U1.18 17.522,11.391 ; 17.534,11.402 17.576,11.444 27.052,11.444 29.237,13.629 PROG.1@29.237,18.135
pads on no net: U2.1 U2.2 U2.4 U2.5 U2.6 U2.7 U2.8 U2.9 U2.10 U2.11 U2.12 U2.13 U2.14 U2.15 U2.18 U2.20 U2.21 U2.22 U2.23 U2.24 U2.25 U2.26 U2.27 U2.28 U2.29 U2.30 U2.31 U2.33 U2.34 U2.35 U2.36 U2.37

## Polygon pours and split planes (outlines as drawn)
GND on Bottom Layer "Top Layer-No Net" (solid, pour order 0): -60,35 65,35 65,-35 -60,-35
5V on Top Layer "Top Layer-No Net" (solid, pour order 2): -60,35 65,35 65.008,-35 -60,-35

## Other copper
Bottom Layer:
  rectangle net 12V: 43.509,-11.793 54.152,-2.479
  rectangle net GND: -5.428,10.162 -4.911,11.232

## Silkscreen, mask and mechanical layers (free items; w line width, h text height)
Mechanical 1:
  the board outline again, w0.254

## Dimensions
-61,36 to 66,36 on Mechanical 1
-61,-36 to -61,36 on Mechanical 1

## Text inside footprints (layer, text, board x,y; h text height)
C3: Top Overlay "+" at 48.421,-11.243 h1 r270
C4: Top Overlay "+" at 23.594,1.545 h1 r270
U2: Top Overlay "String" at -31.078,-22.225 h1 r180